# Altium PCB PCB1.PcbDoc
Units mil, origin at the board's own origin, x right, y up, seen from the top; angles counter-clockwise.
Board outline 6000 x 4000 mil, 2 copper layers (Top Layer, Bottom Layer); 11 components, 10 nets, 59 pads, 0 vias.
Unrouted connection lines stored in the file: 3.
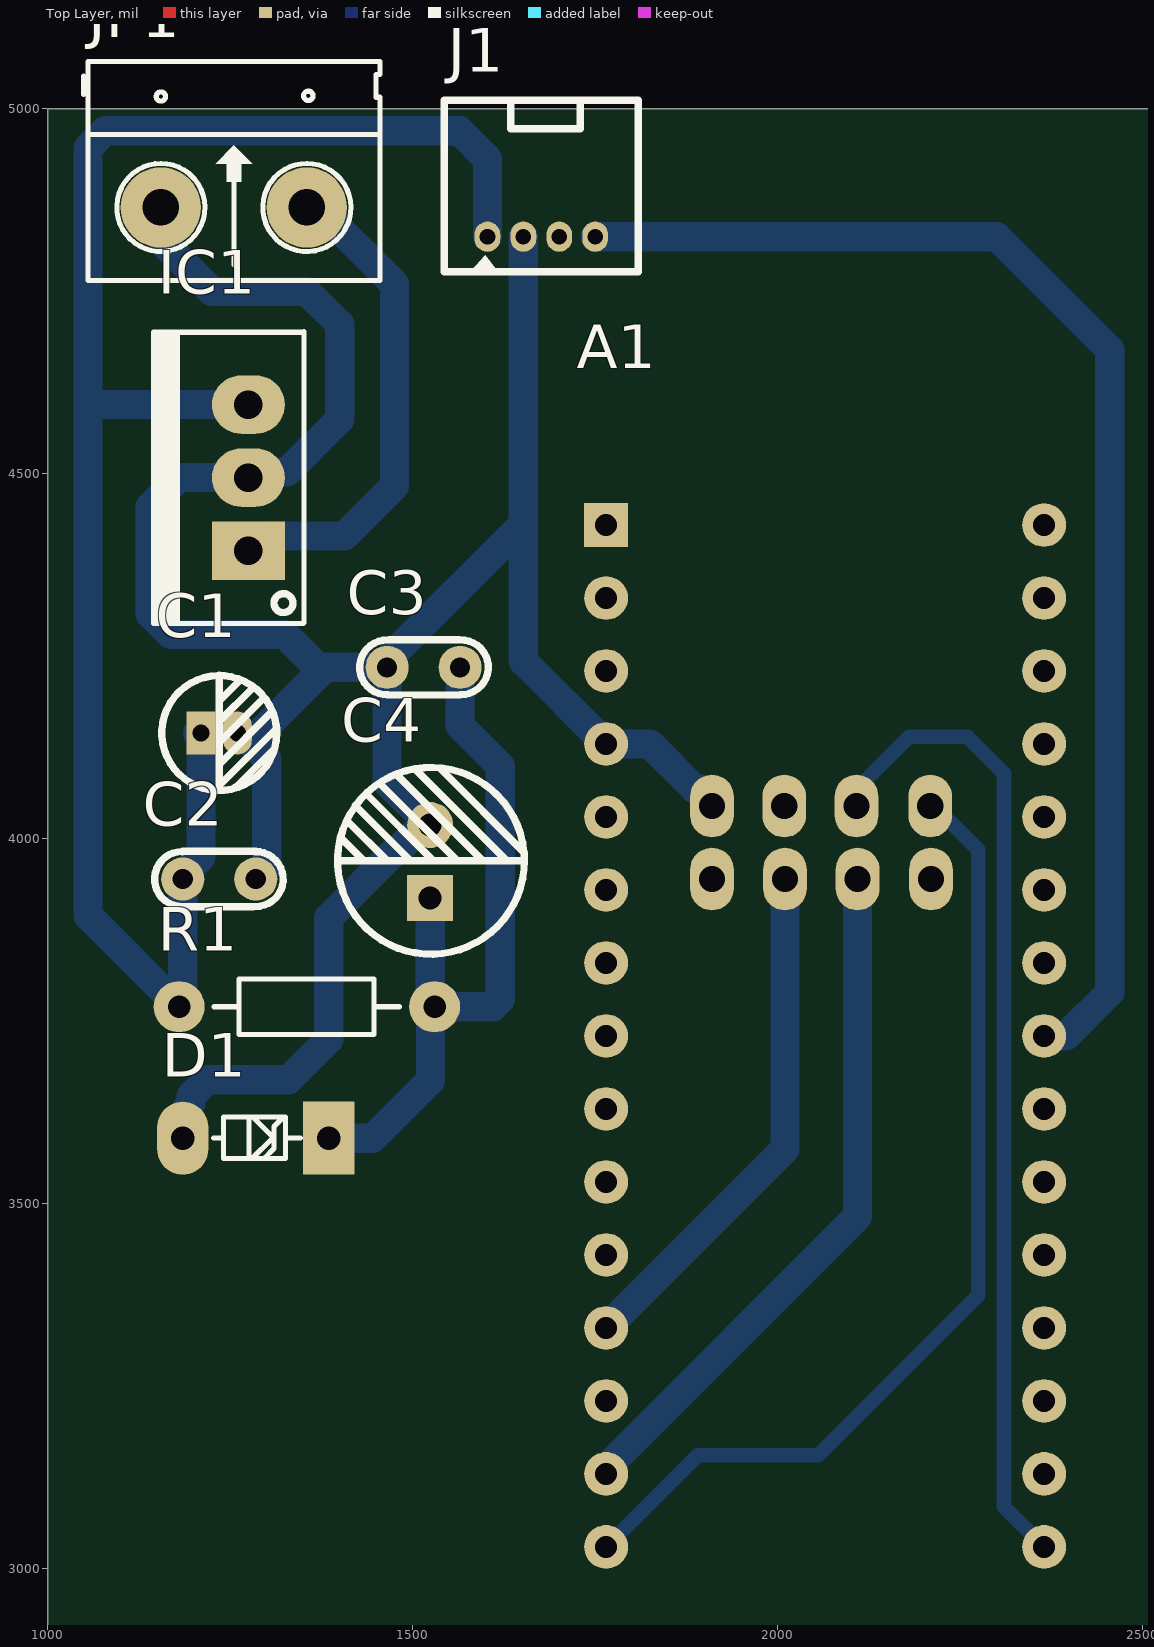
[diagram p0: Top Layer view]
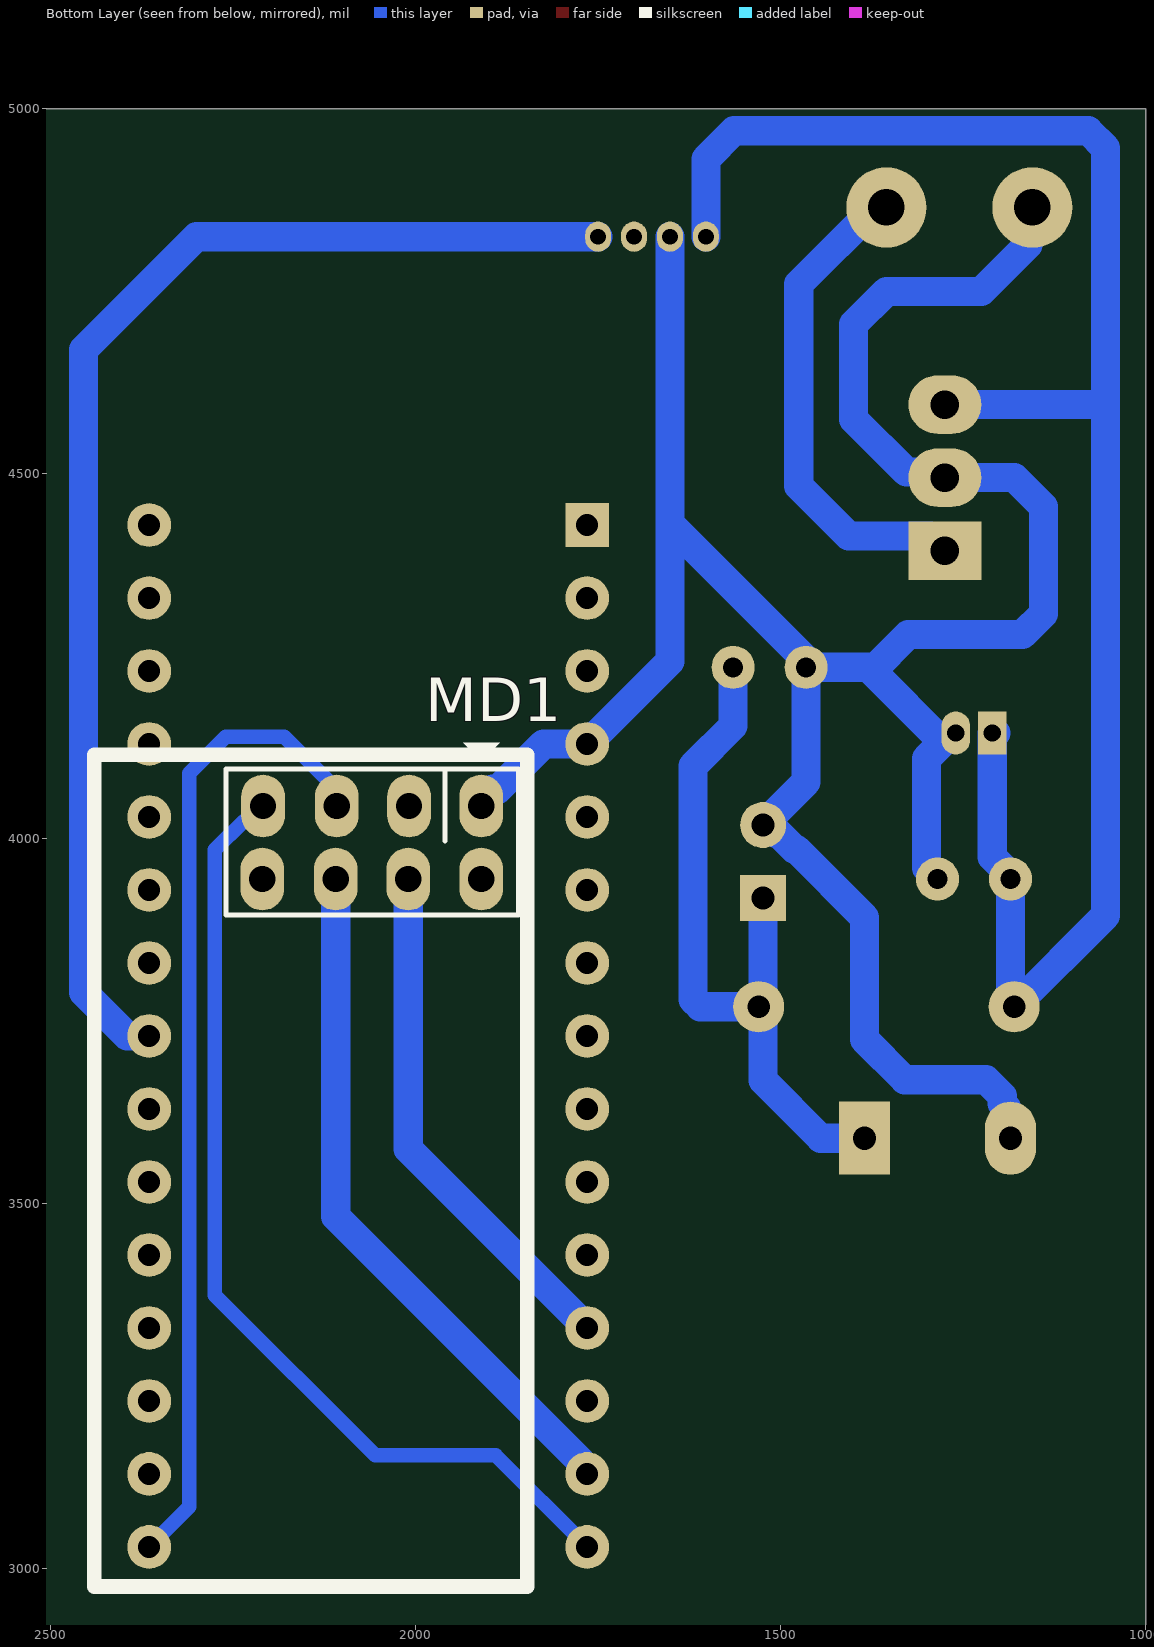
[diagram p1: Bottom Layer view, seen from below]
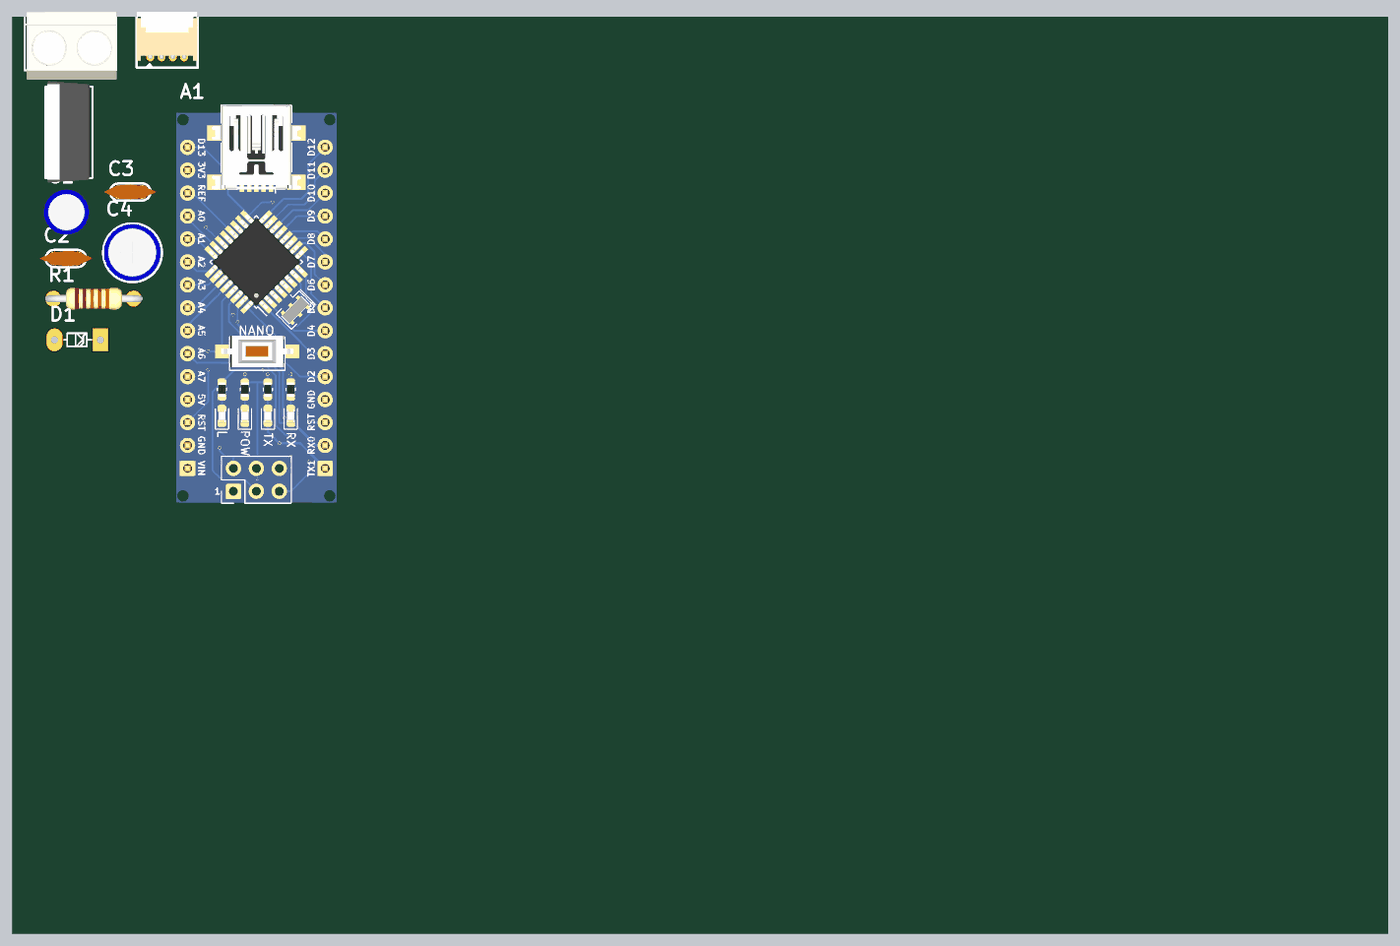
[diagram p2: 3D render of the assembled board from above, using the file's embedded part models]

## Layer stack, top to bottom
Top Solder: solder mask 0.4, Solder Resist, Dk 3.5
Top Layer: signal copper 1.4
Dielectric 1: dielectric 12.6, FR-4, Dk 4.8
Bottom Layer: signal copper 1.4
Bottom Solder: solder mask 0.4, Solder Resist, Dk 3.5

## Board outline
1000,1000 7000,1000 7000,5000 1000,5000

## Design rules (kind name [scope] priority, off if disabled: settings)
Clearance [All] p1: gap=15 ignorepadtopadclearanceinfootprint=FALSE
PolygonConnect [All] p1: connectstyle=Relief reliefconductorwidth=10 reliefentries=4 polygonreliefangle="90 Angle" airgapwidth=10
RoutingVias [All] p1: holewidth=28 width=50 viastyle="Through Hole" minholewidth=28 minwidth=50 maxholewidth=28 maxwidth=50
SolderMaskExpansion [All] p1: expansion=4
Width [All] p1: maxlimit=80 minlimit=20 preferedwidth=40
30 further rules are at their usual default settings.

## Components (designator, comment, footprint, x,y, rotation, side; value= is the part's Value field where it differs from the comment)
A1 "Nano" "Arduino nano" 1705,4590 r270 top
C1 "2.2uF" "tu hoa 4mm" 1235,4145 r0 top
C2 "103" "tu gom" 1235,3945 r0 top
C3 "103" "tu gom" 1515,4235 r180 top
C4 "100uF" "tu hoa 6.5mm" 1525,3970 r90 top
D1 "3V3" DZ0.5A 1185,3590 r180 top value=3v3
IC1 "LM7805" QTO-220 1275,4395 r90 top
J1 "" CON4_50_653004117322_TH_RA 1750,4825 r0 top
JP1 "Header 2_1" HED2 1155,4865 r0 top value="Header 2"
MD1 "NRF24L01 Module" NRF24L01 1910,4045 r0 bottom
R1 "Res1" R1/4W 1530,3770 r180 top value=1K

## Footprints (in the part's own frame and the unit in brackets; to place one, negate y for a bottom-side part, rotate by r counter-clockwise, add the part's x,y. Pads: shape width x height; smd on the part's side, far side on the other; paste and mask are expansions set on the pad)
"Arduino nano" [mil] "arduino nano"
  rect 60x60 hole 30: 0(160,60)
  round 60 hole 30: 1(260,60) 2(360,60) 3(460,60) 4(560,60) 5(660,60) 6(760,60) 7(860,60) 8(960,60) 9(1060,60) 10(1160,60) 11(1260,60) 12(1360,60) 13(1460,60) 14(1560,60) 15(1560,660) 16(1460,660) 17(1360,660) 18(1260,660) 19(1160,660) 20(1060,660) 21(960,660) 22(860,660) 23(760,660) 24(660,660) 25(560,660) 26(460,660) 27(360,660) 28(260,660) 29(160,660)
  body extent -25,10 1715,710, height 507
CON4_50_653004117322_TH_RA [mm] "wurth connector"
  oval 0.9x1.05 hole 0.55: 1(-3.75,0) 2(-2.5,0) 3(-1.25,0) 4(0,0)
  silkscreen extent -5.25,-1.34 1.5,4.75, body extent -5.27,-0.45 1.48,4.98, height 3.65
DZ0.5A [mil] "Diode Zenner, W 80mil, L 300mil"
  oval 70x100 hole 32: 1(0,0)
  rect 70x100 hole 32: 2(-200,0)
  silkscreen extent -161,-29 -42,28
HED2 [mil] "Header 2, 2 pin, hight 300mil, Pin to Pin 200, Colour Green"
  round 110 hole 50: 1(0,0) 2(200,0)
  silkscreen extent -106,-100 300,200, body extent -92,-140 302,155, height 394
NRF24L01 [mil]
  oval 60x86 hole 36: 1(0,0) 2(0,100) 3(99,0) 4(100,100) 5(198,0) 6(199.5,100) 7(299,0) 8(300,100)
  silkscreen extent -63,-86 530,1069, body extent -73,-74 518,1068, height 588
QTO-220 [mil] "TO-220 - 1-2-3"
  rect 80x100 hole 39: 1(0,0)
  oval 80x100 hole 39: 2(100,0) 3(200,0)
  silkscreen extent -100,-76 300,130, body extent -119,-64 322,121, height 755
R1/4W [mil] "R 1/4W, 2 Pin, 350mil"
  round 70 hole 31: 1(0,0) 2(350,0)
  silkscreen extent 48,-38 302,38, body extent -40,-47 386,47, height 111
"tu gom" [mm] "Tu gom mini"
  round 1.5 hole 0.7: 1(-1.27,0) 2(1.27,0)
  silkscreen extent -2.25,-0.97 2.22,0.97, body extent -2.92,-0.85 2.92,0.85, height 6.12
"tu hoa 4mm" [mm]
  rect 1x1.5 hole 0.6: 1(-0.635,0)
  oval 1x1.5 hole 0.6: 2(0.635,0)
  silkscreen extent -2,-2 2.01,2.01, body extent -2.47,-2.47 2.58,2.58, height 14.81
"tu hoa 6.5mm" [mm]
  rect 1.6x1.6 hole 0.8: 1(-1.295,0.025)
  round 1.6 hole 0.8: 2(1.245,0.025)
  silkscreen extent -3.25,-3.25 3.25,3.25, body extent -3.15,-3.15 3.2,3.2, height 14.55

## Part data
A1: library part "Arduino Nano"
C1: library part "Tu Hoa 2.2uF 50V 4x7", "C?m", Chung_Loai=C?m, Don_Vi=Con, Ma_Hang=MH001356, So_Chan=2, Ten_Linh_Kien="T? Hoa 2.2uF 50V 4x7MM"
C2 C3: library part "Tu gom 103 50V", "C?m", Chung_Loai=C?m, Don_Vi=Con, Ma_Hang=MH000936, So_Chan=2, Ten_Linh_Kien="T? g?m 103 10nF 50V"
C4: library part "Tu Hoa 100uF 35V 6x8", "C?m", Chung_Loai=C?m, Don_Vi=Con, Ma_Hang=MH006862, So_Chan=2, Ten_Linh_Kien="T? Hoa 100uF 35V"
D1: library part DZ, "Diode Zenner"
IC1: library part LM78xx, "On ap +, from + 5 to + 24VDC", =LM7808
J1: library part CON-PLG_4X1-50-RA-TH, "4 Pins, 1 Row 1.25mm Pitch, right angle Connector, male", Alternate Part Number-1=NA, Case/Package=TH-CON, Crimp Part Number=653153128130, Manufacturer=JST, Manufacturer Part Number=653004117322, Mating Part Number=653004113322, Supplier-1=WURTH, Supplier Part Number-1=653004117322
JP1: "Header, 2-Pin", Manufacturer="Generic Components", Class=Connector
R1: library part Res1_4, "Resistor", Manufacturer="Generic Components", Class=Passive, Published=08/06/2000, Publisher="Altium Hobart Technology Centre", SubClass=Resistor

## Nets (pads, with @x,y where several pads share a name; then routed paths per layer and width w, separated by ;. In a path a pad name is that pad's centre, name@x,y a point inside that pad or via, vN(x,y) a via of type N, cw(c..) or ccw(c..) an arc to the next point about the centre after c; other vN are vias at no path point)
7: A1.10 MD1.3
8: A1.11 MD1.4 | length 716.5
  Bottom Layer w40: A1.11 2010,3575 MD1.4
11: A1.13 MD1.6 | length 957.7
  Bottom Layer w40: A1.13 1765,3135.41 1775,3145.41 1775,3148.08 2109.5,3482.58 MD1.6
12: A1.14 MD1.7 | length 1355
  Bottom Layer w20: A1.14 1890.56,3155.56 2055.56,3155.56 2275,3375 2275,3984.92 2235.58,4024.35 2227.48,4024.35 2209,4042.82 MD1.7
13: A1.15 MD1.5 | length 1358.3
  Bottom Layer w20: MD1.5 2108,4068 2180,4140 2260,4140 2310,4090 2310,3085 A1.15
+5: A1.29 C1.1 C2.1 IC1.3 J1.1 R1.2 | length 2520
  Bottom Layer w40: C1.1@1205.32,4145 C1.1 1210,3975.16 1185,3950.16 C2.1 1185,3775 R1.2 1055,3895 1055,4595 ; IC1.3 1055,4595 ; J1.1 1602.36,4931.57 1563.93,4970 1078.43,4970 1055,4946.57 1055,4595
a0: A1.22 J1.4 | length 1764.1
  Bottom Layer w40: J1.4 2300,4825 2455,4670 2455,3790 2395,3730 A1.22
GND: A1.3 C1.2 C2.2 C3.2 C4.2 D1.1 IC1.2 J1.2 JP1.1 MD1.1 | length 3732.1
  Bottom Layer w40: JP1.1@1156.32,4896.32 1156.32,4866.32 JP1.1 1161.32,4858.68 1161.32,4813.68 1225,4750 1355,4750 1400,4705 1400,4575 1327.65,4502.65 1282.65,4502.65 IC1.2 1180,4495 1140,4455 1140,4308.43 1168.43,4280 1325,4280 1374.94,4230.06 1277.61,4132.39 1300,4110 1300,3960 C2.2 ; D1.1 1190.74,3595.74 1190.74,3631.95 1196.39,3637.6 1196.39,3647.96 1218.43,3670 1330,3670 1385,3725 1385,3892.49 1478.01,3985.5 1480.5,3985.5 1502.5,4007.5 1506.28,4007.5 1517.78,4019 C4.2 1465,4078 C3.2 ; 1379.86,4235 C3.2 ; J1.2 1651.57,4431.57 ; MD1.1 1910,4052.59 1894.59,4068 1887,4068 1825,4130 A1.3 1651.57,4243.43 1651.57,4431.57 ; C3.2 1465,4245 1651.57,4431.57
NetC3_1: C3.1 C4.1 D1.2 MD1.2 R1.1 | length 998.6
  Bottom Layer w40: D1.2 1445,3590 1524.26,3669.26 1524.26,3764.26 R1.1 ; C4.1 1524,3784.12 1530,3778.12 R1.1 ; C3.1 1565,4155 1620,4100 1620,3780 1610,3770 R1.1
NetIC1_1: IC1.1 JP1.2 | length 676.7
  Bottom Layer w40: IC1.1 1295,4415 1406.57,4415 1475,4483.43 1475,4760 1370,4865 JP1.2
pads on no net: A1.0 A1.1 A1.2 A1.4 A1.5 A1.6 A1.7 A1.8 A1.9 A1.12 A1.16 A1.17 A1.18 A1.19 A1.20 A1.21 A1.23 A1.24 A1.25 A1.26 A1.27 A1.28 J1.3 MD1.8